# Altium PCB LimeNet-Micro_2v1.PcbDoc (part 10 of 11) (continued)
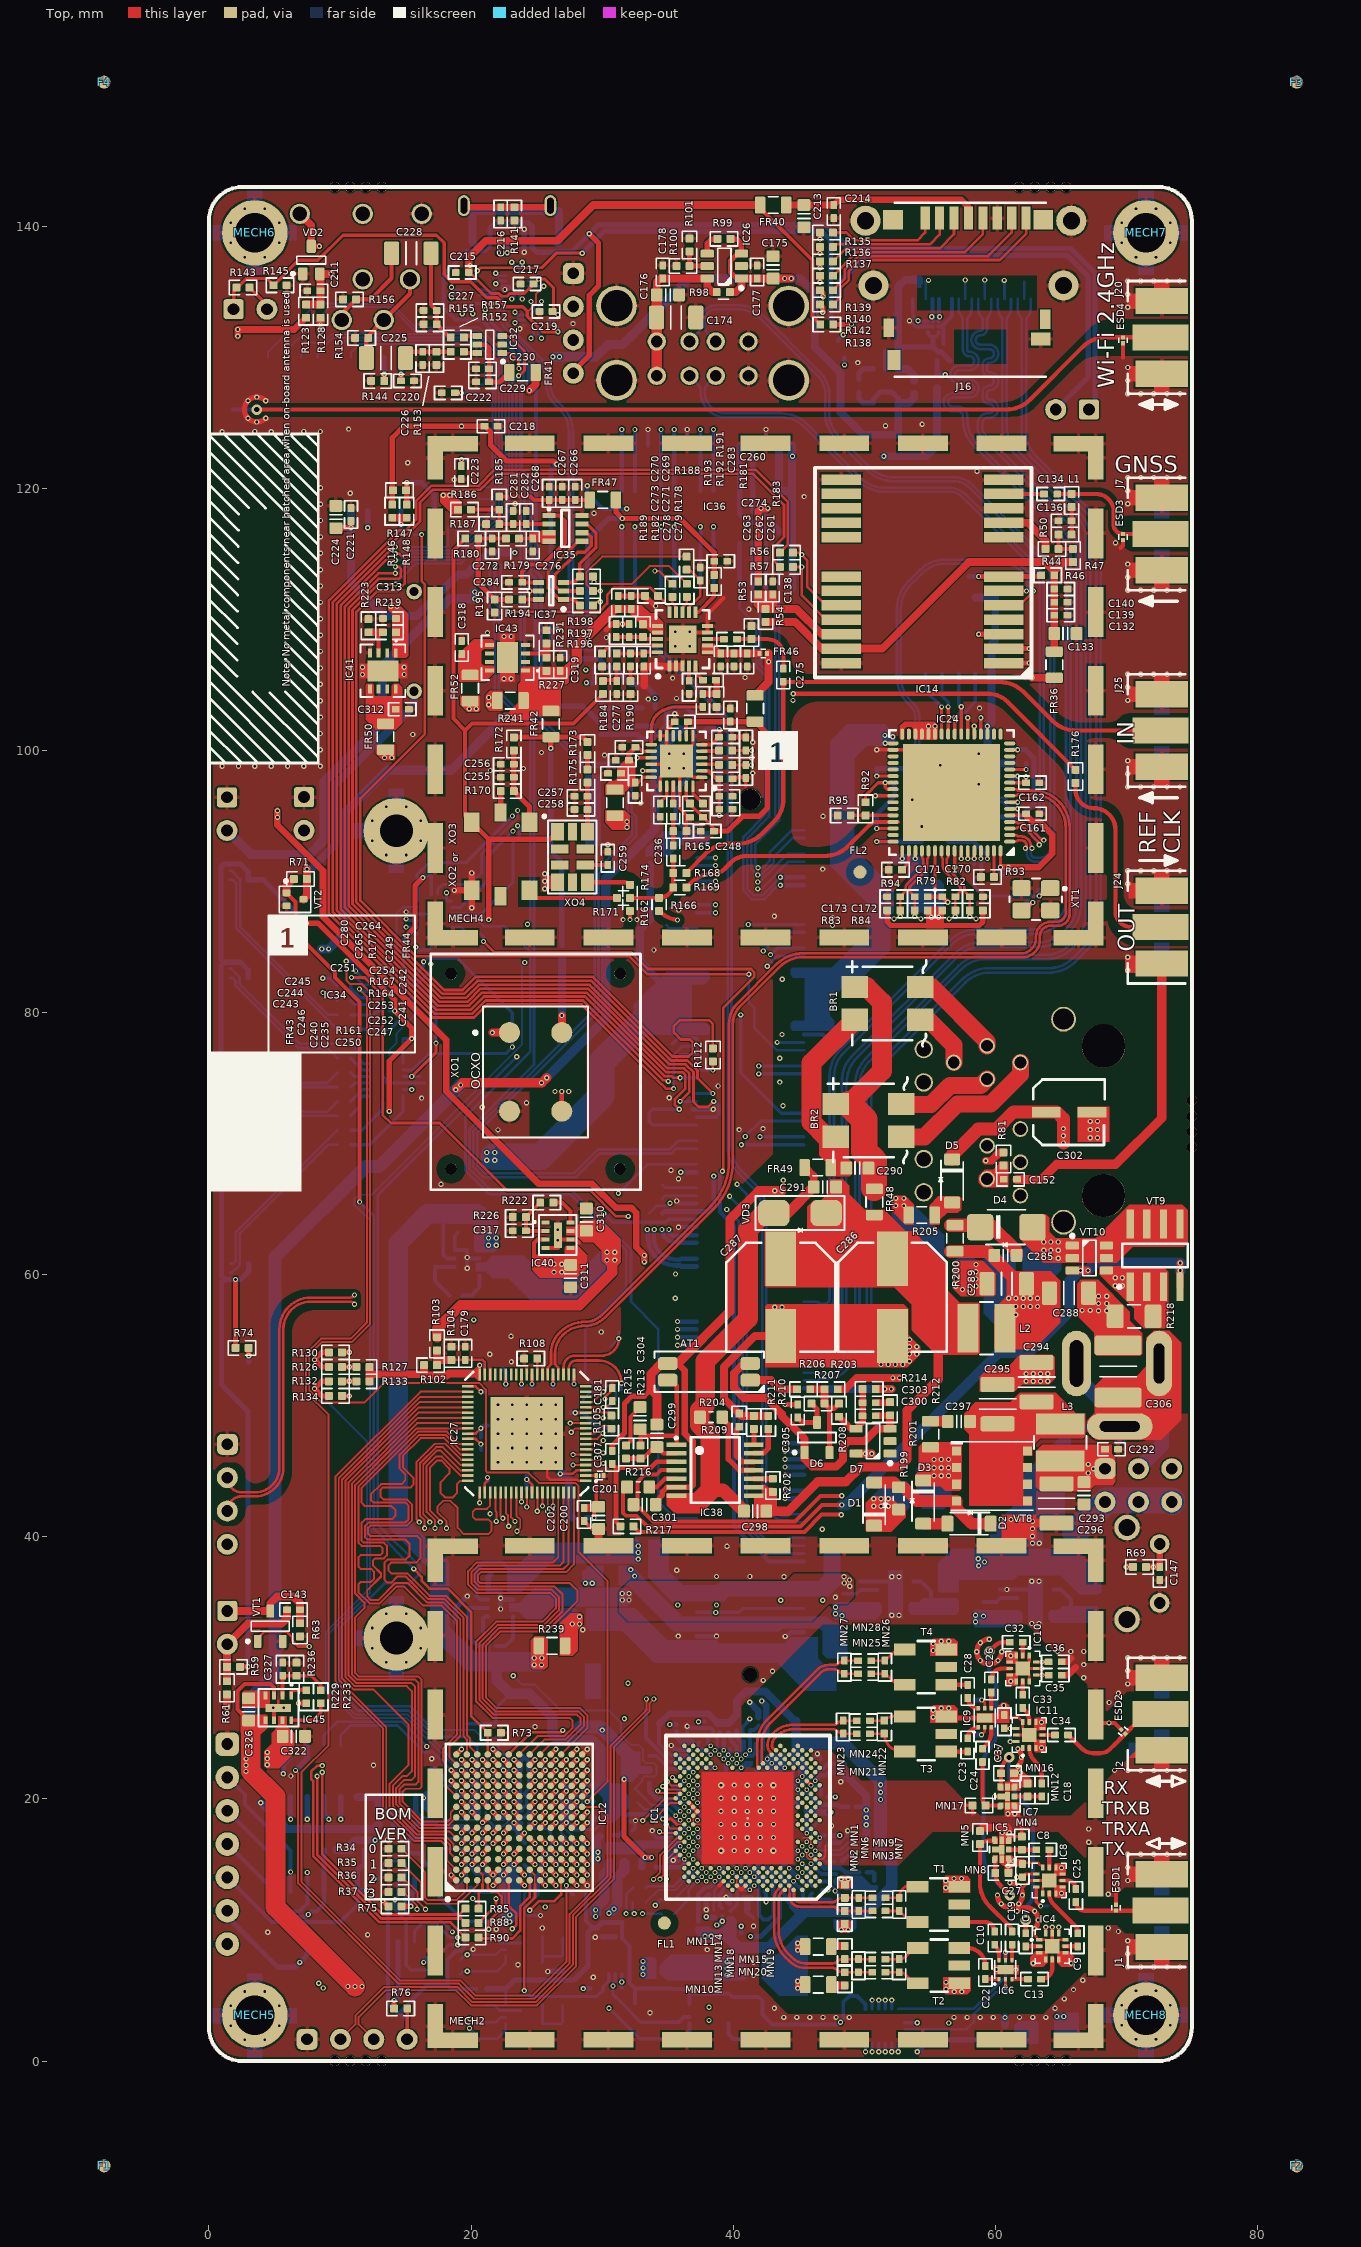
[diagram p0: Top view]
## Other copper (continued)
  pour cut-out: 52.256,29.163 53.931,29.163 53.931,28.263 52.256,28.263
  pour cut-out: 55.436,29.163 57.111,29.163 57.111,28.263 55.436,28.263
  pour cut-out: 52.256,26.753 53.931,26.753 53.931,25.853 52.256,25.853
  pour cut-out: 55.436,24.063 57.111,24.063 57.111,23.163 55.436,23.163
  pour cut-out: 52.256,24.063 53.931,24.063 53.931,23.163 52.256,23.163
  pour cut-out: 56.381,11.059 58.056,11.059 58.056,10.159 56.381,10.159
  pour cut-out: 53.226,11.059 54.901,11.059 54.901,10.159 53.226,10.159
  pour cut-out: 53.226,13.749 54.901,13.749 54.901,12.849 53.226,12.849
  pour cut-out: 53.236,9.074 54.911,9.074 54.911,8.174 53.236,8.174
  pour cut-out: 53.236,6.384 54.911,6.384 54.911,5.484 53.236,5.484
  pour cut-out: 70.475,102.525 70.475,100.525 74.755,100.525 74.755,102.525
  pour cut-out: 70.475,87.525 70.475,85.525 74.755,85.525 74.755,87.525
  pour cut-out: 70.475,117.525 70.475,115.525 74.755,115.525 74.755,117.525
  pour cut-out: 70.475,27.475 70.475,25.475 74.755,25.475 74.755,27.475
  pour cut-out: 70.475,12.475 70.475,10.475 74.755,10.475 74.755,12.475
  pour cut-out: 56.391,9.074 58.066,9.074 58.066,8.174 56.391,8.174
  pour cut-out: 47.136,40.213 65,40.213 65,50.753 75,50.753 75,82.75 45.936,82.75 45.936,67.975 42.7,64.739 42.7,54.802 47.136,50.366
  region net GND: 72.5,53.225 72.5,55.7 74.694,55.7 74.694,50.461 72.316,50.461 72.316,55.7 72.587,55.7
  region net GND: 67.811,49.56 66.7,49.56 66.7,47.15 71.5,47.15 71.5,48.425 67.811,48.425
  region net GND: 60.275,39.95 60.275,41.6 65.075,41.6 65.075,39.95
  region net GND: 65.1,50.653 64.7,51.053 64.7,52.575 64.3,52.975 62.15,52.975 61.95,52.775 61.95,40.213 65.1,40.213
  region: 59.15,119.975
  pour cut-out: 59.15,119.975 59.15,119.175 62.15,119.175 62.15,119.975
L3:
  pour cut-out: 3.65,126.77 ccw(c3.65,126.02) 2.9,126.02 ccw(c3.65,126.02) 3.65,125.27 ccw(c3.65,126.02) 4.4,126.02 ccw(c3.65,126.02)
  pour cut-out: 61.648,13.191 ccw(c61.117,12.661) 60.587,13.191 ccw(c61.117,12.661) 60.587,12.13 ccw(c61.117,12.661) 61.648,12.13 ccw(c61.117,12.661)
  pour cut-out: 31.819,87.1 cw(c29.572,87.1) 31.161,85.511 29.719,84.069 ccw(c31.515,82.273) 28.975,82.273 28.975,80.102 cw(c26.435,80.102) 28.231,78.306 27.363,77.438 ccw(c29.159,75.642) 26.619,75.642 26.619,73.984 27.231,73.984 27.231,75.154 cw(c29.771,75.154) 27.975,76.95 28.956,77.931 ccw(c27.16,79.727) 29.7,79.727 29.7,81.998 cw(c32.24,81.998) 30.444,83.794 31.687,85.037 ccw(c29.891,86.833) 32.431,86.833 32.431,87.1
  pour cut-out: 42.075,98.075 cw(c42.075,95.65) 44.5,95.65 44.5,70.311 cw(c42.964,70.311) 44.05,69.225 41.269,66.444 ccw(c43.065,64.648) 40.525,64.648 40.525,54.108 ccw(c43.065,54.108) 41.269,52.312 44.806,48.775 cw(c43.01,46.979) 45.55,46.979 45.55,36.777 cw(c43.01,36.777) 44.806,34.981 39.969,30.144 ccw(c41.765,28.348) 39.225,28.348 39.225,24.032 38.675,24.032 38.675,28.598 cw(c41.215,28.598) 39.419,30.394 44.331,35.306 ccw(c42.535,37.102) 45.075,37.102 45.075,46.698 ccw(c42.535,46.698) 44.331,48.494 40.719,52.106 cw(c42.515,53.902) 39.975,53.902 39.975,64.848 cw(c42.515,64.848) 40.719,66.644 43.467,69.392 ccw(c42.058,70.8) 44.05,70.8 44.05,95.3 ccw(c41.95,95.3) 41.95,97.4 41.175,97.4 cw(c41.175,98.4) 40.175,98.4 40.175,99.355 cw(c41.17,99.355) 41.17,100.35 41.551,100.35 cw(c41.551,100.025) 41.876,100.025 cw(c41.526,100.025) 41.526,99.675 41.15,99.675 ccw(c41.15,99.4) 40.875,99.4 40.875,98.7 ccw(c41.5,98.7) 41.5,98.075
  pour cut-out: 42.198,99.175 cw(c42.198,96.635) 43.994,98.431 44.556,97.869 cw(c42.76,96.073) 45.3,96.073 45.3,70.306 cw(c42.76,70.306) 44.556,68.51 42.294,66.248 ccw(c44.09,64.452) 41.55,64.452 41.55,54.952 ccw(c44.09,54.952) 42.294,53.156 45.731,49.719 cw(c43.935,47.923) 46.475,47.923 46.475,26.143 ccw(c47.243,26.143) 46.7,25.6 cw(c45.553,24.453) 47.175,24.453 46.703,24.453 ccw(c45.855,24.45) 46.453,25.047 46.425,25.075 cw(c47.511,26.161) 45.975,26.161 45.975,47.623 ccw(c43.435,47.623) 45.231,49.419 41.769,52.881 cw(c43.565,54.677) 41.025,54.677 41.025,64.698 cw(c43.565,64.698) 41.769,66.494 44.056,68.781 ccw(c42.26,70.577) 44.8,70.577 44.8,96.118 ccw(c43.093,96.118) 44.3,97.325 43.744,97.881 ccw(c41.948,96.085) 41.948,98.625 41.341,98.625 cw(c41.341,98.966) 41.1,98.725 cw(c41.221,98.846) 41.05,98.846 41.05,99.025 cw(c41.2,99.025) 41.2,99.175
  pour cut-out: 60.067,30.707 ccw(c59.537,31.237) 60.067,31.767 ccw(c59.537,31.237) 59.007,31.767 ccw(c59.537,31.237) 59.007,30.707 ccw(c59.537,31.237)
  pour cut-out: 60.522,23.695 ccw(c61.052,23.164) 60.522,22.634 ccw(c61.052,23.164) 61.583,22.634 ccw(c61.052,23.164) 61.583,23.695 ccw(c61.052,23.164)
  pour cut-out: 62.855,11.289 ccw(c62.325,10.758) 61.795,11.289 ccw(c62.325,10.758) 61.795,10.228 ccw(c62.325,10.758) 62.855,10.228 ccw(c62.325,10.758)
  pour cut-out: 8.3,124.14 8.3,99 0,99 0,124.14
  pour cut-out: 8.3,124.14 8.3,99 0,99 0,124.14
  pour cut-out: 70.475,102.525 70.475,100.525 74.755,100.525 74.755,102.525
  pour cut-out: 70.475,87.525 70.475,85.525 74.755,85.525 74.755,87.525
  pour cut-out: 70.475,117.525 70.475,115.525 74.755,115.525 74.755,117.525
  pour cut-out: 70.475,27.475 70.475,25.475 74.755,25.475 74.755,27.475
  pour cut-out: 70.475,12.475 70.475,10.475 74.755,10.475 74.755,12.475
  region net VCC3P3: 25.625,30.138 25.387,29.9 24.863,29.9 24.612,30.15 24.612,30.85 24.762,31 25.462,31 25.625,30.838
  pour cut-out: 47.136,40.213 65,40.213 65,50.753 75,50.753 75,82.75 45.936,82.75 45.936,67.975 42.7,64.739 42.7,54.802 47.136,50.366
  region net GND: 72.5,50.565 72.5,55.725 74.694,55.725 74.694,50.565
  region net GND: 60.1,41.693 63.85,41.693 63.85,39.375 60.1,39.375
  region net GND: 61.975,52.704 61.975,48.05 61.975,40.725 65,40.725 65,47.425 65,50.753 64.7,51.053 64.7,52.525 64.325,52.9 62.171,52.9
  text "A" at 4.718,136.02 h0.7
  text "V" at 5.718,136.02 h0.7
  text "D" at 6.818,136.02 h0.7
  text "R" at 7.368,136.02 h0.7
  text "L" at 5.193,135.445 h0.7
L4:
  pour cut-out: 3.65,126.77 ccw(c3.65,126.02) 2.9,126.02 ccw(c3.65,126.02) 3.65,125.27 ccw(c3.65,126.02) 4.4,126.02 ccw(c3.65,126.02)
  pour cut-out: 61.648,13.191 ccw(c61.117,12.661) 60.587,13.191 ccw(c61.117,12.661) 60.587,12.13 ccw(c61.117,12.661) 61.648,12.13 ccw(c61.117,12.661)
  pour cut-out: 60.067,30.707 ccw(c59.537,31.237) 60.067,31.767 ccw(c59.537,31.237) 59.007,31.767 ccw(c59.537,31.237) 59.007,30.707 ccw(c59.537,31.237)
  pour cut-out: 60.522,23.695 ccw(c61.052,23.164) 60.522,22.634 ccw(c61.052,23.164) 61.583,22.634 ccw(c61.052,23.164) 61.583,23.695 ccw(c61.052,23.164)
  pour cut-out: 61.575,10.758 ccw(c62.325,10.758) 62.325,10.008 ccw(c62.325,10.758) 63.075,10.758 ccw(c62.325,10.758) 62.325,11.508 ccw(c62.325,10.758)
  region net VCC3P3_2: 27.5,50.5 27.5,49.425 27.95,48.975 28.5,48.975 28.5,50.5
  region net VCC3P3_2: 28.975,34.4 28.975,33.775 28.35,33.15 27.6,33.15 27.475,33.275 27.475,34.4
  region net VCC3P3_2: 28.925,37.45 29.45,36.925 29.45,36.15 28.925,35.625
  region net VCC3P3_2: 26.2,53.775 26.2,51.425 24.65,51.425 24.65,52.803 25.622,53.775
  pour cut-out: 8.3,124.14 8.3,99 0,99 0,124.14
  region net VCC1P4_LMS: 30.325,11.275 30.325,11.525 30.6,11.8 31,11.8 31.25,11.55 31.25,11.275
  pour cut-out: 70.475,102.525 70.475,100.525 74.755,100.525 74.755,102.525
  pour cut-out: 70.475,87.525 70.475,85.525 74.755,85.525 74.755,87.525
  pour cut-out: 70.475,117.525 70.475,115.525 74.755,115.525 74.755,117.525
  pour cut-out: 70.475,27.475 70.475,25.475 74.755,25.475 74.755,27.475
  pour cut-out: 70.475,12.475 70.475,10.475 74.755,10.475 74.755,12.475
  region net POE_GND: 50.85,58.6 53.825,61.575 59.075,61.575 59.1,61.55 59.1,54.175 57.55,52.625 51.37,52.625 50.85,53.145
  region net NetR217_2: 69.8,60 69.925,59.875 69.925,59.025 69.575,58.675 69.275,58.675 68.925,59.025 68.925,59.875 69.05,60
  region net POE_GND: 59.075,61.575 62.7,61.575 63.525,60.75 65.1,60.75 67.2,58.65 68.575,58.65 68.725,58.5 68.725,57.175 68.575,57.025 65.2,57.025 63.45,58.775 59.475,58.775 58.525,57.825 58.525,59.125 58.525,61.025
  region net VCC1P8: 23.013,10.389 22.462,10.389 22.3,10.551 22.3,11.267 22.625,11.593 23.002,11.593
  pour cut-out: 47.136,40.213 65,40.213 65,50.753 75,50.753 75,82.75 45.936,82.75 45.936,67.975 42.7,64.739 42.7,54.802 47.136,50.366
  pour cut-out: 47.136,40.213 65,40.213 65,50.753 75,50.753 75,82.75 45.936,82.75 45.936,67.975 42.7,64.739 42.7,54.802 47.136,50.366
  region net GND: 61.225,51.625 61.225,48.45 63.844,45.831 66.55,45.831 66.55,49.203 64.7,51.053 64.7,52.525 64.5,52.725 62.325,52.725
  region net GND: 69.5,48.425 69.5,46.85 66.55,46.85 66.55,48.425
  region net GND: 72.5,50.45 74.694,50.45 74.694,55.725 72.5,55.725
L5:
  pour cut-out: 3.65,126.77 cw(c3.65,126.02) 4.4,126.02 cw(c3.65,126.02) 3.65,125.27
  pour cut-out: 61.648,13.191 cw(c61.117,12.661) 61.648,12.13 cw(c61.117,12.661) 60.587,12.13
  pour cut-out: 58.787,31.237 cw(c59.537,31.237) 59.537,31.987 cw(c59.537,31.237) 60.287,31.237
  pour cut-out: 60.302,23.164 cw(c61.052,23.164) 61.052,23.914 cw(c61.052,23.164) 61.802,23.164
  pour cut-out: 63.075,10.758 cw(c62.325,10.758) 62.325,10.008 cw(c62.325,10.758) 61.575,10.758
  pour cut-out: 8.3,124.14 8.3,99 0,99 0,124.14
  pour cut-out: 46.45,40.212 65,40.213 65,50.753 75,50.753 75,82.75 60.125,82.75 51.83,74.455 51.83,54.78 46.45,49.4
  region: 1,126.475
  pour cut-out: 1,126.475 1,125.575 2.7,125.575 2.7,126.475
Bottom:
  drawing of 204 lines, arcs and shapes, not listed

## Silkscreen, mask and mechanical layers (free items; w line width, h text height)
TopOverlay:
  drawing of 470 lines, arcs and shapes, not listed
  text "Wi-Fi 2.4GHz" at 69.075,127.65 h1.25 r90
  text "GNSS" at 69.1,121.2 h1.25
  text "Note: No metal components near hatched area when on-board antenna is used" at 6.15,104.85 h0.55 r90
  text "IN" at 70.575,100.425 h1.25 r90
  text "REF / CLK" at 74.1,92.125 h1.25 r90
  text "or" at 19.025,91.475 h0.5 r90
  text "OUT" at 70.625,84.65 h1.25 r90
  text "RX" at 68.275,20.35 h1
  text "TRXB" at 68.165,18.8 h1
  text "BOM" at 12.65,18.4 h0.9
  text "TRXA" at 68.165,17.225 h1
  text "VER" at 12.675,16.9 h0.9
  text "0" at 12.175,15.85 h0.7
  text "TX" at 68.175,15.7 h1
  text "1" at 12.275,14.675 h0.7
  text "2" at 12.15,13.55 h0.7
  text "3" at 12.125,12.45 h0.7
BottomOverlay:
  drawing of 2468 lines, arcs and shapes, not listed
  text "2x USB2" at 44.43,136.02 h0.9 r270
  text "EXT USB" at 5.625,135.4 h0.7
  text "HDMI" at 62.375,131.388 h0.9
  text "GND" at 23.975,128.75 h0.7 r270
  text "Wi-Fi 2.4GHz" at 66.575,127.725 h1.25 r270
  text "DP" at 23.9,126.9 h0.7 r270
  text "DM" at 23.875,125.075 h0.7 r270
  text "ETH USB" at 21.75,123.625 h0.9 r270
  text "VCC / 5P0" at 23.3,122.7 h0.7 r270
  text "USB boot" at 67.675,121.15 h0.9
  text "Display" at 48.743,118.275 h0.9 r270
  text "ANT" at 68.75,116.463 h1.25 r270
  text "Wi-Fi" at 13.425,115.9 h0.9
  text "GNSS" at 68.775,111.75 h1.25 r270
  text "Camera" at 49.05,111.125 h0.9 r270
  text "Note: No metal components near hatched area when on-board antenna is used" at 1.9,101.675 h0.55 r270
  text "IN" at 68.775,100.338 h1.25 r270
  text "GND" at 2.95,96.178 h0.7 r270
  text "GND" at 8.825,96.195 h0.7 r270
  text "1" at 46.6,94.8 h0.7 r270
  text "2" at 35.25,94.75 h0.7 r270
  text "REF / CLK" at 67.3,92.027 h1.25 r270
  text "VCC3P3" at 2.925,91.55 h0.7 r270
  text "VCC5P0" at 8.8,91.567 h0.7 r270
  text "VCC BATT" at 4.325,91.5 h0.9 r270
  text "VCC EXT" at 10.2,91.517 h0.9 r270
  text "FPGA" at 3.775,88.15 h0.7
  text "C" at 63.2,86.275 h0.7
  text "B" at 64.675,86.25 h0.7
  text "A" at 66.15,86.225 h0.7
  text "SELECTION" at 57.125,85.875 h0.85
  text "POWER" at 61.675,85.875 h0.85
  text "FPGA" at 3.75,85.1 h0.7
  text "OUT" at 68.525,84.763 h1.25 r270
  text "USB external" at 59.05,84.45 h0.7
  text "A" at 61.1,84.45 h0.7
  text "External" at 59.025,83.375 h0.7
  text "B" at 61.1,83.375 h0.7
  text "J27" at 66.675,83.275 h0.7 r270
  text "C" at 61.1,82.3 h0.7
  text "PoE" at 59,82.275 h0.7
  text "39" at 45.5,81.2 h0.7 r270
  text "42" at 35.875,80.825 h0.7 r270
  text "41" at 45.5,79.2 h0.7 r270
  text "42" at 35.875,79.175 h0.7 r270
  text "FPGA" at 3.75,77.6 h0.7
  text "FPGA" at 3.775,70.1 h0.7
  text "FPGA" at 3.775,62.6 h0.7
  text "Ethernet + (Active) PoE" at 67.75,61.975 h0.7
  text "Raspberry CM3(L)" at 27.125,57.466 h1.25 r270
  text "VCC3P3" at 4.7,55.131 h0.7
  text "A" at 73.9,46.85 h0.7
  text "LimeNET-Micro v2.1" at 4.75,46.45 h2.6 r270
  text "GND" at 3.125,45.993 h0.7 r270
  text "DP" at 3.125,43.775 h0.7 r270
  text "POWER" at 65.775,43 h0.7 r270
  text "SELECTION" at 64.8,41.725 h0.7 r270
  text "DM" at 3.15,41.187 h0.7 r270
  text "ETH USB" at 4.69,38.975 h0.9 r270
  text "VCC5P0" at 3.125,36.364 h0.7 r270
  text "BTN" at 68.75,35.95 h0.9 r270
  text "FPGA" at 70.05,35.4 h0.9 r270
  text "FAN" at 3.2,31.575 h0.9 r270
  text "200" at 35,30.1 h0.7 r270
  text "VCC" at 3.075,28.8 h0.8
  text "FPGA" at 10.6,27.425 h0.9
  text "FPGA" at 4.275,27.325 h0.9
  text "GPIO" at 10.525,26.072 h0.9
  text "JTAG" at 4.375,25.9 h0.9
  text "GND" at 5.3,23.3 h0.7
  text "RX" at 74.725,20.875 h1.2
  text "TCK" at 5.3,20.85 h0.7
  text "TRXB" at 74.775,19.225 h1.2
  text "TDO" at 5.3,18.307 h0.7
  text "TRXA" at 74.775,16.95 h1.2
  text "TMS" at 5.3,15.764 h0.7
  text "TX" at 74.725,15.25 h1.2
  text "TDI" at 5.15,13.275 h0.7
  text "VCC" at 5.35,11.375 h0.7
  text "1P8" at 5.275,10.129 h0.7
  text "o" at 33.375,9.025 h1.2 r270
  text "VCC" at 5.375,8.7 h0.7
  text "t" at 32.559,8.293 h2.1 r270
  text "5P0" at 5.325,7.5 h0.7
  text "RAPI" at 15.825,5.925 h0.9
  text "FPGA" at 10.5,5.875 h0.9
  text "JTAG" at 10.625,4.5 h0.9
  text "UART" at 15.8,4.5 h0.9
  text "GND" at 8.675,3.175 h0.7
  text "TX" at 11.1,3.175 h0.7
  text "RX" at 12.85,3.175 h0.7
  text "VCC / 3P3" at 19,0.4 h0.7
TopPaste:
  drawing of 56 lines, arcs and shapes, not listed
BottomPaste:
  drawing of 64 lines, arcs and shapes, not listed
TopSolder:
  region: 50.45,139.65 53.05,139.65 53.05,141.348 50.45,141.348
  region: 61.9,139.65 65.125,139.65 65.125,141.348 61.9,141.348
  region: 63.596,8.129 63.736,7.989 63.691,7.934 63.546,8.079
  region: 65.104,8.129 64.964,7.989 65.009,7.934 65.154,8.079
  region: 65.104,9.371 64.964,9.511 65.009,9.566 65.154,9.421
  region: 63.596,9.371 63.736,9.511 63.691,9.566 63.546,9.421
  region: 63.371,14.396 63.511,14.536 63.466,14.591 63.321,14.446
  region: 64.879,14.396 64.739,14.536 64.784,14.591 64.929,14.446
  region: 64.879,13.154 64.739,13.014 64.784,12.959 64.929,13.104
  region: 63.371,13.154 63.511,13.014 63.466,12.959 63.321,13.104
  region: 61.846,25.496 61.986,25.636 61.941,25.691 61.796,25.546
  region: 63.354,25.496 63.214,25.636 63.259,25.691 63.404,25.546
  region: 63.354,24.254 63.214,24.114 63.259,24.059 63.404,24.204
  region: 61.846,24.254 61.986,24.114 61.941,24.059 61.796,24.204
  region: 61.346,30.571 61.486,30.711 61.441,30.766 61.296,30.621
  region: 62.854,30.571 62.714,30.711 62.759,30.766 62.904,30.621
  region: 62.854,29.329 62.714,29.189 62.759,29.134 62.904,29.279
  region: 61.346,29.329 61.486,29.189 61.441,29.134 61.296,29.279
BottomSolder:
  region: 62.9,135.575
  region: 39.2,2.65 39.2,3.325 40.925,3.325 40.925,2.65
  region: 39.2,3.92 39.2,4.595 40.925,4.595 40.925,3.92
  region: 37.1,3.92 37.1,4.595 35.375,4.595 35.375,3.92
  region: 37.1,2.65 37.1,3.325 35.375,3.325 35.375,2.65
Mechanical1:
  drawing of 2557 lines, arcs and shapes, not listed
  text "LimeNet-Micro v2.1" at 238.55,287.6 h7
  text "CONTROLLED IMPEDANCE" at 98.65,274.1 h3
  text "STACKUP AND LAYER DESCRIPTION" at 227.65,274.1 h3
  text "GENERAL PARAMETERS" at 112.55,267.6 h1.7
  text "Parameter" at 134.55,263.825 h1.5
  text "Layer/Layers" at 180.05,263.6 h1.5
  text "Value" at 210.05,263.6 h1.5
  text "Top" at 175.05,258.8 h1.5
  text "17.5um" at 202.35,258.8 h1.5
  text "Copper foil thickness" at 99.55,258.6 h1.5
  text "173um (6.8 mils)" at 201.65,254.2 h1.5
  text "Dielectric thickness between layers" at 99.55,253.6 h1.5
  text "4.2" at 202.55,248.8 h1.5
  text "Dielectric permittivity between layers (Er)" at 99.55,248.6 h1.5
  text "Top-L2" at 175.05,247.6 h1.5
  text "17.5um" at 202.35,243.8 h1.5
  text "Copper foil thickness" at 99.55,243.6 h1.5
  text "Bottom" at 175.05,242.6 h1.5
  text "173um (6.8 mils)" at 201.65,239.2 h1.5
  text "Dielectric thickness between layers" at 99.55,238.6 h1.5
  text "TH via" at 361.775,236.075 h1.52
  text "GERBER LAYER NAMES:" at 235.375,234.675 h1.52
  text "4.2" at 202.55,233.8 h1.5
  text "Dielectric permittivity between layers (Er)" at 99.55,233.6 h1.5
  text "Top-Bot" at 361.225,233 h1.52
  text "Bottom-L11" at 175.05,232.7 h1.5
  text "GTP" at 236.475,231.125 h1.52
  text "Top solder paste" at 241.575,230.775 h1
  text "GTO" at 236.475,228.05 h1.52
  text "Silkscreen" at 241.475,227.825 h1
  text "ELECTRICAL LAYERS:" at 375.775,226.575 h1.52
  text "CALCULATIONS" at 98.55,226.1 h1.7
  text "GTS" at 236.475,225.375 h1.52
  text "Soldermask (halogen free)" at 241.475,224.075 h1
  text "Top: RF//PWR/GND" at 376.45,223.1 h1.52
  text "GTL" at 236.475,222.875 h1.52
  text "0.5oz+plating" at 241.475,222.375 h1
  text "Target impedance" at 105.55,221.1 h1.5
  text "Single-ended" at 175.05,221.1 h1.5
  text "50R" at 201.55,221.1 h1.5
  text "6.8mil" at 267.125,220.2 h1
  text "PP" at 263.775,220.075 h1
  text "G1" at 236.475,218.375 h1.52
  text "1oz" at 241.475,218.175 h1
  text "L2: GND" at 376.475,218.075 h1.52
  text "Additional comments" at 105.55,216.1 h1.5
  text "Top layer, no side GND plane" at 175.05,216.1 h1.5
  text "CORE" at 263.775,215.575 h1
  text "G2" at 236.475,213.875 h1.52
  text "1oz" at 241.475,213.675 h1
  text "L3: Signal/PWR/GND" at 376.475,213.575 h1.52
  text "Top layer copper foil thickness" at 105.55,211.1 h1.5
  text "17.5 um" at 175.05,211.1 h1.5
  text "PP" at 263.775,211.075 h1
  text "G3" at 236.475,209.375 h1.52
  text "1oz" at 241.475,209.175 h1
  text "L4: PWR/Signal/GND" at 376.475,209.075 h1.52
  text "CORE" at 263.775,206.575 h1
  text "Track width" at 105.55,206.1 h1.5
  text "0.325 mm (12.795 mils)" at 175.05,206.1 h1.5
  text "G4" at 236.475,204.875 h1.52
  text "1oz" at 241.475,204.675 h1
  text "L5: GND" at 376.575,204.575 h1.52
  text "6.8mil" at 267.3,202.125 h1
  text "PP" at 263.775,202.075 h1
  text "173um (6.8 mils)" at 175.05,201.2 h1.5
  text "Top layer copper foil thickness" at 105.55,201.1 h1.5
  text "GBL" at 236.475,200.375 h1.52
  text "Bottom: RF/Signal/PWR/GND" at 376.525,200.35 h1.52
  text "0.5oz+plating" at 241.475,199.875 h1
  text "GBS" at 236.475,197.875 h1.52
  text "173um (6.8 mils)" at 201.65,197.7 h1.5
  text "Dielectric thickness between layers" at 105.55,197.1 h1.5
  text "Soldermask (halogen free)" at 241.475,196.675 h1
  text "ADDITIONAL LAYERS:" at 378.775,196.075 h1.52
  text "GBO" at 236.475,195.275 h1.52
  text "Silkscreen" at 241.475,195.075 h1
  text "4.2" at 202.55,192.3 h1.5
  text "GBP" at 236.475,192.3 h1.52
  text "Bottom solder paste" at 241.475,192.1 h1
  text "Mechanical 1: Board cutout" at 381.475,191.875 h1.52
  text "Dielectric permittivity between layers (Er)" at 105.55,191.1 h1.5
  text "Top-L2" at 175.05,191.1 h1.5
  text "Total PCB thicknes: 1.6mm +/- 10%" at 260.075,189.575 h1.52
  text "Via type #1" at 318.525,189.375 h1.52
  text "ASM TOP: Assembly top" at 381.475,188.875 h1.52
  text "0.2mm drill / 0.4mm ring" at 359.775,188.133 h1.2
  text "49.99 Ohms (+/- 10% tolerance)" at 175.05,186.2 h1.5
  text "RF (Top)" at 105.05,186.1 h2 r90
  text "Approximate microstrip line impedance" at 105.55,186.1 h1.5
  text "ASM BOT: Assembly bottom" at 381.475,185.875 h1.52
  text "Via type #2" at 318.525,184.375 h1.52
  text "0.4mm drill / 0.8mm ring" at 359.775,183.133 h1.2
  text "Mechanical 13: Component 3D body" at 381.475,182.875 h1.52
  text "Target impedance" at 105.55,181.1 h1.5
  text "Differential" at 175.05,181.1 h1.5
  text "100R" at 201.55,181.1 h1.5
  text "Notes: Board shape and frame" at 381.55,179.95 h1.52
  text "0.2mm drill / 0.35mm ring" at 359.875,176.375 h1.2
  text "Additional comments" at 105.55,176.1 h1.5
  text "Top layer, no side GND plane" at 175.05,176.1 h1.5
  text "Via type #3 (In pad, IC1, resin filled with metal cap)" at 318.125,176 h1.52
  text "Top layer copper foil thickness" at 105.55,171.1 h1.5
  text "17.5 um" at 175.05,171.1 h1.5
  text "0.2mm drill / 0.5mm ring" at 359.875,169.525 h1.2
  text "Via type #4 (In IC1 thermal pad, NO resin fill and metal cap)" at 318.125,166.65 h1.52
  text "Track width" at 105.55,166.1 h1.5
  text "0.2 mm (7.874 mils)" at 175.05,166.1 h1.5
  text "Track spacing" at 105.55,161.1 h1.5
  text "0.14 mm (5.511 mils)" at 175.05,161.1 h1.5
  text "Board Cutout" at 30.675,159.825 h1.5
  text "173um (6.8 mils)" at 175.05,156.2 h1.5
  text "Top layer copper foil thickness" at 105.55,156.1 h1.5
  text "173um (6.8 mils)" at 201.65,152.7 h1.5
  text "Dielectric thickness between layers" at 105.55,152.1 h1.5
  text "4.2" at 202.55,147.3 h1.5
  text "Dielectric permittivity between layers (Er)" at 105.55,146.1 h1.5
  text "Top-L2" at 175.05,146.1 h1.5
  text "100.6 Ohms (+/- 10% tolerance)" at 175.05,141.2 h1.5
  text "RF (Top)" at 105.05,141.1 h2 r90
  text "Approximate microstrip line impedance" at 105.55,141.1 h1.5
  text "Target impedance" at 105.55,136.1 h1.5
  text "Single-ended" at 175.05,136.1 h1.5
  text "50R" at 201.55,136.1 h1.5
  text "Additional comments" at 105.55,131.1 h1.5
  text "Bottom layer, no side GND plane" at 175.05,131.1 h1.5
  text "Top layer copper foil thickness" at 105.55,126.1 h1.5
  text "17.5 um" at 175.05,126.1 h1.5
  text "VERY IMPORTANT NOTES" at 227.65,122.9 h3
  text "Track width" at 105.55,121.1 h1.5
  text "0.325 mm (12.795 mils)" at 175.05,121.1 h1.5
  text "GENERAL PCB SPECS" at 227.65,116.4 h1.7
  text "ADDITIONAL REQUIREMENTS" at 336.65,116.4 h1.7
  text "173um (6.8 mils)" at 175.05,116.2 h1.5
  text "Top layer copper foil thickness" at 105.55,116.1 h1.5
  text "173um (6.8 mils)" at 201.65,112.7 h1.5
  text "Dielectric thickness between layers" at 105.55,112.1 h1.5
  text "Minimum copper to copper spacing" at 228.55,111.4 h1.5
  text "0.1mm (3.9mil)" at 284.05,111.4 h1.5
  text "4.2" at 202.55,107.3 h1.5
  text "Minimum track width" at 228.55,106.4 h1.5
  text "0.1mm (3.9mil)" at 284.05,106.4 h1.5
  text "All 0.2mm vias including 0.35mm ring and 0.2mm drill via-in-pads (IC1) must be resin filled with metal cap." at 341.5,106.4 h1.5
  text "Dielectric permittivity between layers (Er)" at 105.55,106.1 h1.5
  text "Bottom-L5" at 175.05,106.1 h1.5
  text "PCB thickness" at 228.55,101.4 h1.5
  text "1.6mm +/-10%" at 284.05,101.4 h1.5
  text "49.99 Ohms (+/- 10% tolerance)" at 175.05,101.2 h1.5
  text "RF (Bottom)" at 105.05,101.1 h2 r90
  text "Approximate microstrip line impedance" at 105.55,101.1 h1.5
  text "Target impedance" at 105.55,96.1 h1.5
  text "Differential" at 175.05,96.1 h1.5
  text "100R" at 201.55,96.1 h1.5
  text "SO DIMM BOARD" at 21.4,94.425 h1.5
  text "OUTLINE" at 21.375,92.025 h1.5
  text "PCB material" at 228.55,91.4 h1.5
  text "IT-180A preferred or equivalent RF-rated material (up to 3 GHz or higher)" at 285.05,91.3 h1.5
  text "Additional comments" at 105.55,91.1 h1.5
  text "Bottom layer, no side GND plane" at 175.05,91.1 h1.5
  text "IC1 thermal pad vias with 0.4mm ring and 0.2mm drill must be resin filled with metal cap. IC1 thermal pad vias  with 0.5mm ring and 0.2mm drill must be left open (NO resin fill with metal cap). 4 vias in total, marked with note." at 341.5,90.4 h1.5
  text "(for reference only)" at 20.925,90.25 h0.7
  text "Local Fiducial" at 47.15,88.225 h0.7
  text "External layer" at 284.05,86.4 h1.5
  text "0.5 oz+plating" at 310.65,86.4 h1.5
  text "Top layer copper foil thickness" at 105.55,86.1 h1.5
  text "17.5 um" at 175.05,86.1 h1.5
  text "Copper weight" at 228.55,81.6 h1.5
  text "Internal layer" at 284.05,81.4 h1.5
  text "1 oz" at 310.55,81.4 h1.5
  text "Track width" at 105.55,81.1 h1.5
  text "0.2 mm (7.874 mils)" at 175.05,81.1 h1.5
  text "DARK BLUE" at 284.05,76.4 h1.5
  text "Electrical test : 100 % netlist." at 341.5,76.4 h1.5
  text "Track spacing" at 105.55,76.1 h1.5
  text "0.14 mm (5.511 mils)" at 175.05,76.1 h1.5
  text "Both sides" at 284.05,71.4 h1.5
  text "173um (6.8 mils)" at 175.05,71.2 h1.5
  text "Top layer copper foil thickness" at 105.55,71.1 h1.5
  text "173um (6.8 mils)" at 201.65,67.7 h1.5
  text "Dielectric thickness between layers" at 105.55,67.1 h1.5
  text "Halogen free" at 284.05,66.4 h1.5
  text "Boards are to be individually bagged." at 341.5,66.4 h1.5
  text "4.2" at 202.55,62.3 h1.5
  text "Solder mask" at 228.55,61.4 h1.5
  text "Glossy finish (NOT matte)" at 284.05,61.4 h1.5
  text "Dielectric permittivity between layers (Er)" at 105.55,61.1 h1.5
  text "Bottom-L5" at 175.05,61.1 h1.5
  text "White epoxy ink" at 284.05,56.4 h1.5
  text "PCB vendor to silkscreen UL and RoHS compliance marks, vendor logo and date code on bottom where shown (ignore if none of the info will be placed on PCB)" at 341.5,56.4 h1.5
  text "100.6 Ohms (+/- 10% tolerance)" at 175.05,56.2 h1.5
  text "HDMI (Bottom)" at 105.05,56.1 h2 r90
  text "Approximate microstrip line impedance" at 105.55,56.1 h1.5
  text "Both sides" at 284.05,51.4 h1.5
  text "Halogen free" at 284.05,46.4 h1.5
  text "Assembly note: Assembly house MUST provide notes in paper with shipped board if there were any changes during assembly and the board is not assembled 100% according to BOM and P&P files. Note example:" at 341.5,43.4 h1.5
  text "Silkscreen" at 228.55,41.4 h1.5
  text "No silkscreen on pads" at 284.05,41.4 h1.5
  text "Comment" at 402.25,39.35 h1.5
  text "Part" at 342.85,38.1 h1.5
  text "Initial BOM asm. note" at 351.25,38.1 h1.5
  text "Current PCB status" at 369.25,38.1 h1.5
  text "Plated" at 284.05,36.4 h1.5
  text "Non-plated" at 310.55,36.4 h1.5
  text "R1" at 344.1,33.1 h1.5
  text "FIT" at 357.35,33.1 h1.5
  text "NF" at 375.6,33.1 h1.5
  text "Not mounted due to bad footprint" at 386.85,32.6 h1.5
  text "IC5" at 343.6,30.1 h1.5
  text "FIT" at 357.35,30.1 h1.5
  text "NF" at 375.6,29.6 h1.5
  text "Not mounted due to part shortage" at 386.85,29.1 h1.5
  text "Hole types on the PCB and information" at 228.55,26.4 h1.5
  text "Hole diameters are final manufactured diameters INCLUDING HOLE METALIZATION." at 288.25,26.4 h1.5
  text "V-score" at 284.8,21.4 h1.5
  text "Tab route" at 310.55,21.4 h1.5
  text "Route process" at 228.55,16.4 h1.5
  text "V-score and tab route" at 284.8,16.4 h1.5
  text "Panel" at 228.45,11.4 h1.5
  text "Yes" at 284.8,11.4 h1.5
  text "No" at 310.55,11.4 h1.5
  text "Local Fiducial" at 28.375,9.425 h0.7
  text "HASL lead free" at 284.8,6.4 h1.5
  text "Vendor logo, date code,  / RoHS (placed on top). / Possible places are marked." at 24.45,4 h0.55
  text "HASL with lead" at 284.8,1.4 h1.5
  text "Immersion gold" at 284.8,-3.6 h1.5
  text "0.05-0.10um of gold over / 2.50-5.00um of nickel" at 306.2,-3.7 h1
  text "OSP" at 284.8,-8.6 h1.5
  text "Surface finish (both sides)" at 228.35,-13.9 h1.5
  text "Hard gold" at 284.8,-13.9 h1.5
Notes:
  lines w0.1: 8.475,0 8.475,-5 -5,-5 -5,148 8.475,148 8.475,143 ; 14.3,0 14.3,-5 60.7,-5 60.7,0 ; 14.3,143 14.3,148 60.7,148 60.7,143 ; 66.525,0 66.525,-5 80,-5 80,68.6 75,68.6 ; 66.525,143 66.525,148 80,148 80,74.425 75,74.425 ; -15.2,-15.2 90.2,-15.2 90.2,158.2 -15.2,158.2 -15.2,-15.2
  lines w0.3: 0,2.54 ccw(c2.54,2.54) 2.54,0 72.46,0 ccw(c72.46,2.54) 75,2.54 75,140.46 ccw(c72.46,140.46) 72.46,143 2.54,143 ccw(c2.54,140.46) 0,140.46 0,2.54